# Altium PCB PCB.PcbDoc (part 1 of 2)
Units mil, origin at the board's own origin, x right, y up, seen from the top; angles counter-clockwise.
Board outline 2366.65 x 2660 mil, 2 copper layers (Component Side, Solder Side), stack 63.78 mil thick; 114 components, 105 nets, 465 pads, 240 vias.
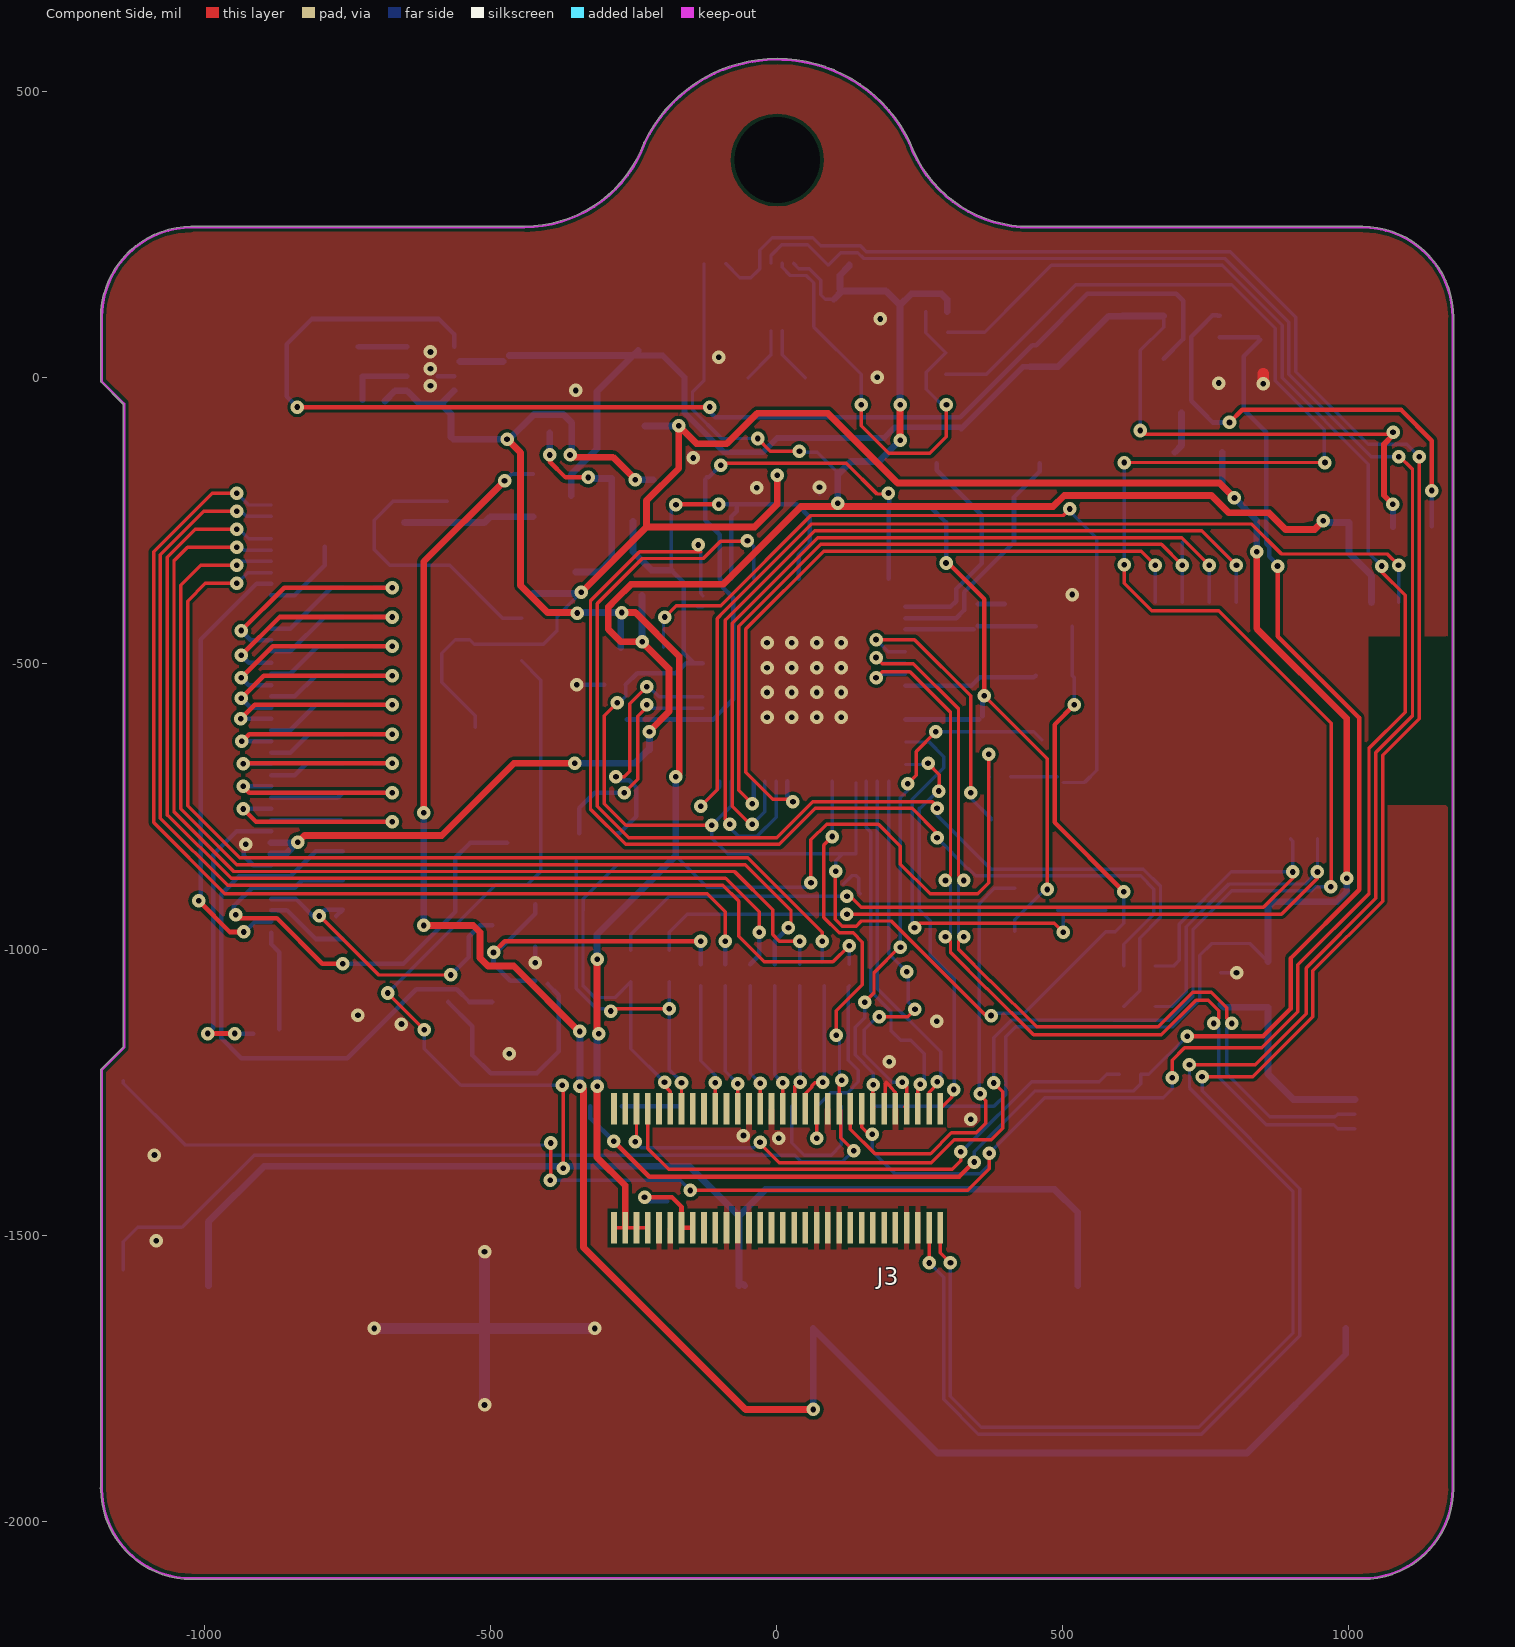
[diagram p0: Component Side view]
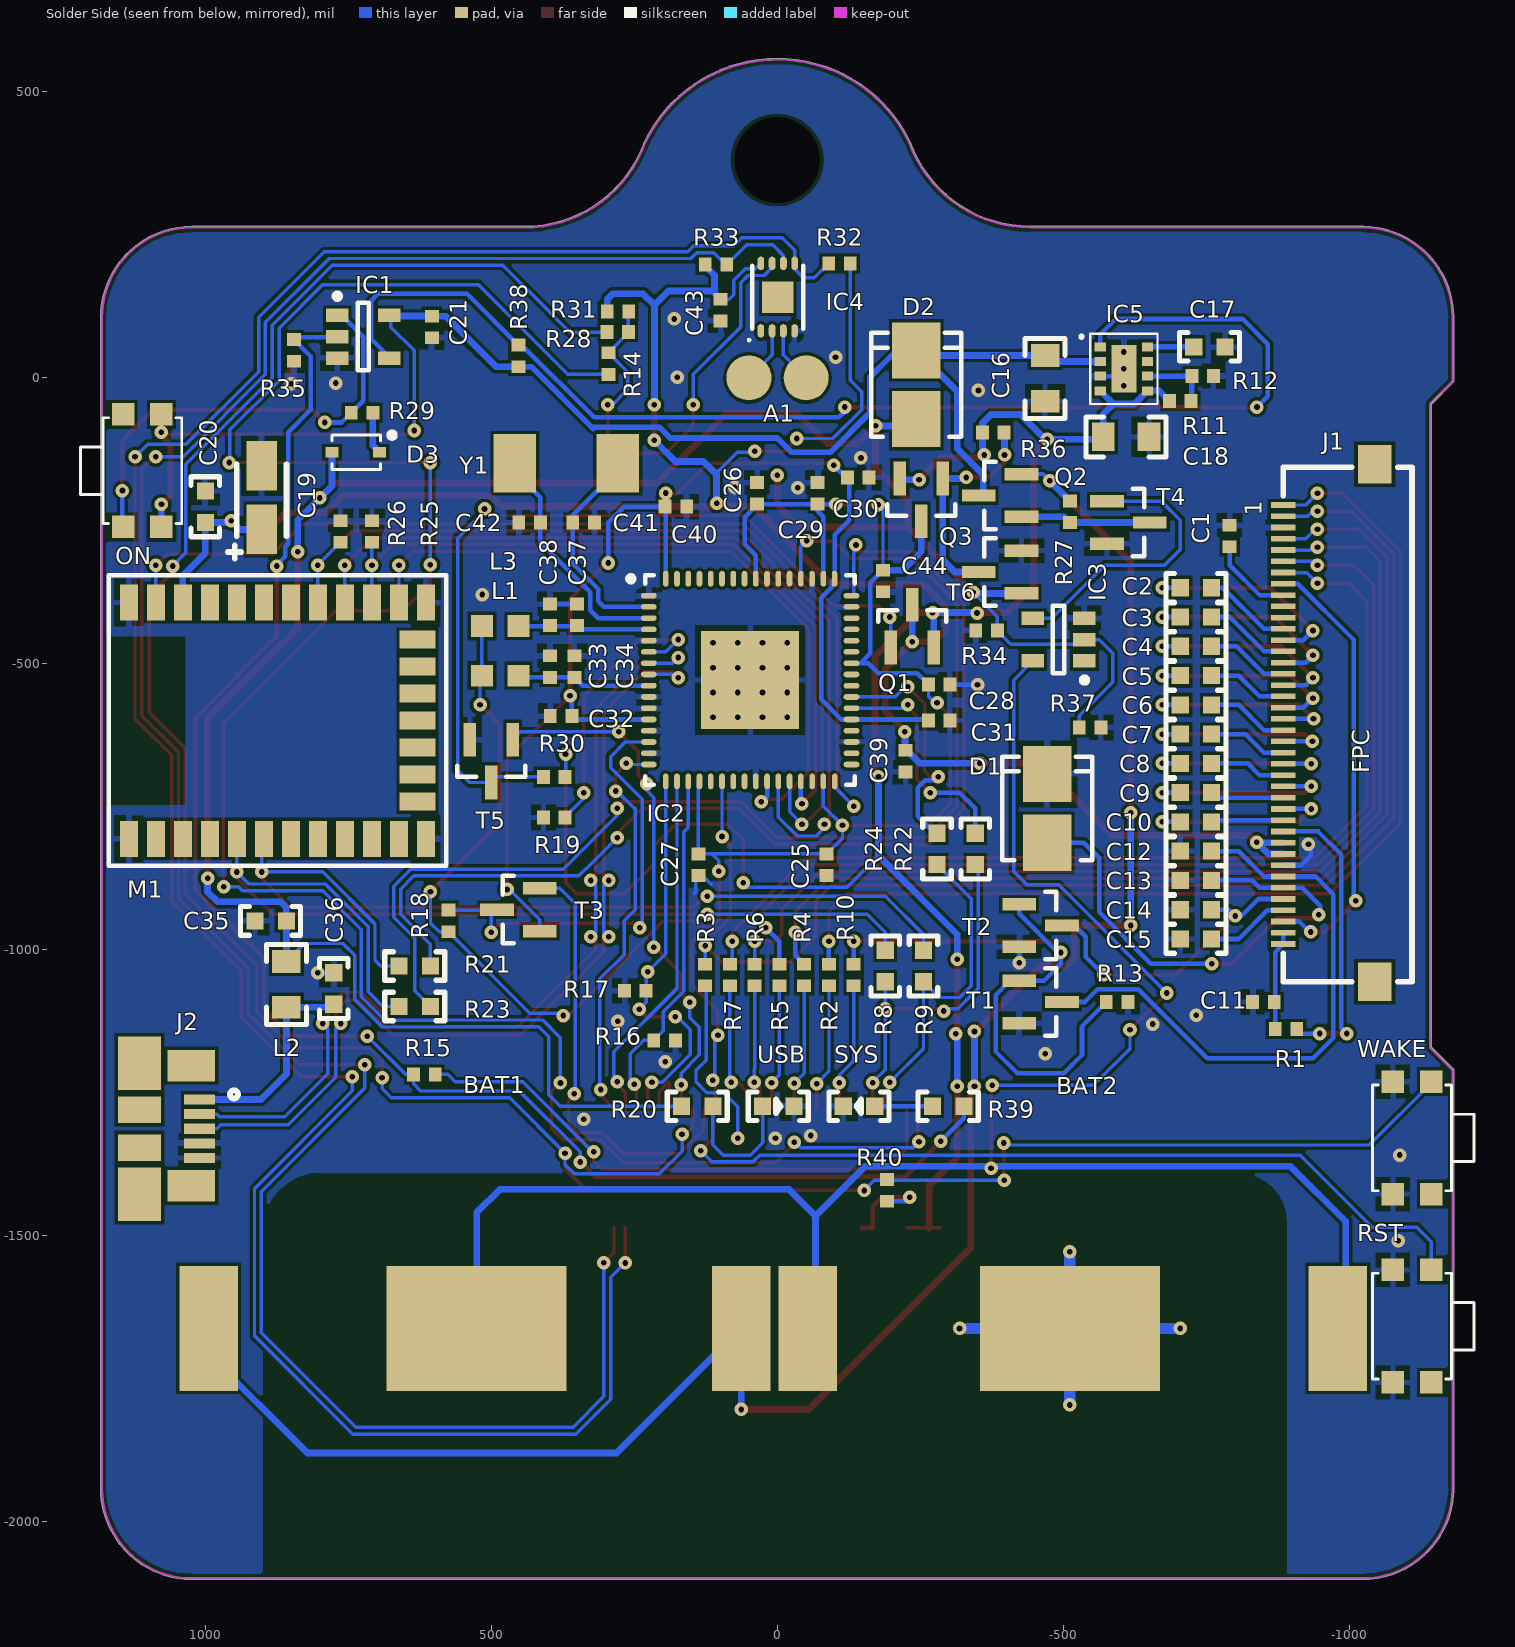
[diagram p1: Solder Side view, seen from below]

## Layer stack, top to bottom
Top Solder: solder mask 0.4, Solder Resist, Dk 3.5
Component Side: signal copper 1.378
Dielectric 1: core 61.0236, FR-4, Dk 4.6
Solder Side: signal copper 1.378
Bottom Solder: solder mask 0.4, Solder Resist, Dk 3.5

## Board outline
-1182.08,-1943.14 cw(c-1180.59,-1941.83) -1182.09,-1940.53 -1182.09,-1210.5 cw(c-1180.1,-1210.5) -1181.49,-1209.08 -1181.5,-1209.09 -1142.72,-1170.3 -1142.72,-45.96 -1181.5,-7.17 -1181.49,-7.19 cw(c-1180.1,-5.77) -1182.09,-5.77 -1182.09,105.41 cw(c-1022.62,105.41) -1023.93,264.87 cw(c-1022.62,263.38) -1022.62,265.36 -440.93,265.36 ccw(c-440.93,487.77) -231.96,411.63 ccw(c-440.93,487.77) -231.93,411.7 -231.96,411.63 cw(c-230.07,411.02) -231.86,411.88 cw(c0.89,300.82) 233.84,411.44 cw(c0.89,300.82) 233.86,411.39 233.84,411.44 cw(c232.07,410.54) 233.94,411.21 ccw(c442.93,487.28) 442.93,264.87 1024.62,264.87 cw(c1024.62,105.41) 1184.09,105.41 1184.09,-1941.83 cw(c1024.62,-1941.83) 1024.64,-2101.3 cw(c1024.62,-2099.31) 1024.62,-2101.3 -1022.62,-2101.3 cw(c-1022.62,-2099.31) -1022.64,-2101.3 cw(c-1022.62,-1941.83)

## Design rules (kind name [scope] priority, off if disabled: settings)
Clearance [All] p1: gap=5.91
DiffPairsRouting [All] p1: maxlimit=7.99 minlimit=7.99 mostfreqgap=7.99 toplayer_minwidth=5.91 toplayer_maxwidth=11.81 toplayer_prefwidth=7.87 bottomlayer_minwidth=5.91 bottomlayer_maxwidth=11.81 bottomlayer_prefwidth=7.87 maxuncoupledlength=500
HoleSize [All] p1: absolutevalues=TRUE maxlimit=150 minlimit=9.84 maxpercent=80.000 minpercent=20.000
MinimumAnnularRing [All] p1: minimumring=4.92
MinimumSolderMaskSliver [All] p1: minsoldermaskwidth=0
PlaneClearance [All] p1: clearance=15
PlaneConnect [All] p1: planeconnectstyle=Direct reliefexpansion=20 reliefentries=4 reliefconductorwidth=10 reliefairgap=10
PolygonConnect PolygonConnect_via [isVia] p1: connectstyle=Direct reliefconductorwidth=10 reliefentries=4 polygonreliefangle="90 Angle" airgapwidth=10
PolygonConnect [All] p2: connectstyle=Relief reliefconductorwidth=10 reliefentries=4 polygonreliefangle="90 Angle" airgapwidth=10
RoutingVias [All] p1: holewidth=9.84 width=23.62 viastyle="Through Hole" minholewidth=9.84 minwidth=23.62 maxholewidth=9.84 maxwidth=23.62
SilkToSilkClearance [All] p1: silktosilkclearance=8
SilkToSolderMaskClearance [IsPad] p1: minsilkscreentomaskgap=3 clearancetoexposedcopper=TRUE
SolderMaskExpansion SolderMaskExpansion_Via [isVia] p1: expansion=-11.81
SolderMaskExpansion [All] p2: expansion=4
Width [All] p1: maxlimit=78.74 minlimit=5.91 preferedwidth=8
22 further rules are at their usual default settings.

## Classes and differential pairs
component class SOM: A1 BAT1 BAT2 C1 C2 C3 C4 C5 C6 C7 C8 C9 C10 C11 C12 C13 C14 C15 C16 C17 C18 C19 C20 C21 C39 C43 D1 D2 D3 IC1 IC3 IC4 IC5 J1 J3 M1 ON Q1 Q2 R1 R2 R3 R4 R5 R6 R7 R8 R9 R10 R11 R12 R13 R14 R15 R27 R28 R29 R30 R31 R32 R33 R34 R35 R38 R39 R40 RST SYS T1 T2 T4 T5 WAKE
component class Debug: C25 C26 C27 C28 C29 C30 C31 C32 C33 C34 C35 C36 C37 C38 C40 C41 C42 C44 IC2 J2 L1 L2 L3 Q3 R16 R17 R18 R19 R20 R21 R22 R23 R24 R25 R26 R36 R37 T3 T6 USB Y1
differential pair USB_D: +USB_D_P -USB_D_N

## Components (designator, comment, footprint, x,y, rotation, side; value= is the part's Value field where it differs from the comment)
A1 "811-22-002-30-001101" 812-22-002-30-003101 50.39,0 r180 bottom
BAT1 "BC-2003" BC-2003#1 526.59,-1662.31 r180 bottom
BAT2 "BC-2003" BC-2003#2 -510.81,-1662.31 r180 bottom
C1 "2u2" 0402#1 -790.34,-276.48 r270 bottom
C2 "2u2" 0603#1 -731.28,-367.03 r180 bottom
C3 "2u2" 0603#1 -731.28,-418.21 r180 bottom
C4 "2u2" 0603#1 -731.28,-469.39 r180 bottom
C5 "2u2" 0603#1 -731.28,-520.57 r180 bottom
C6 "2u2" 0603#1 -731.28,-571.76 r180 bottom
C7 "2u2" 0603#1 -731.28,-622.94 r180 bottom
C8 "2u2" 0603#1 -731.28,-674.12 r180 bottom
C9 "2u2" 0603#1 -731.28,-725.3 r180 bottom
C10 "2u2" 0603#1 -731.28,-776.48 r180 bottom
C11 "2u2" 0402#1 -849.39,-1091.44 r180 bottom
C12 "2u2" 0603#1 -731.28,-827.66 r180 bottom
C13 "2u2" 0603#1 -731.28,-878.84 r180 bottom
C14 "2u2" 0603#1 -731.28,-930.02 r180 bottom
C15 "2u2" 0603#1 -731.28,-981.2 r180 bottom
C16 "10u" 0805#1 -467.5,-0.89 r90 bottom
C17 "3n3" 0603#1 -754.91,54.23 r0 bottom
C18 "22u" 0805#1 -609.24,-103.25 r0 bottom
C19 "100u" KEMET_A 902.57,-209.55 r90 bottom
C20 "100n" 0603#1 1001,-225.3 r270 bottom
C21 "100n" 0402#2 605,89 r270 bottom
C25 "100n" 0402#1 -85.61,-851.28 r90 bottom
C26 "100n" 0402#1 36.43,-201.68 r270 bottom
C27 "100n" 0402#1 138.8,-851.28 r90 bottom
C28 "100n" 0402#1 -282.46,-536.32 r0 bottom
C29 "100n" 0402#1 -69.87,-201.68 r270 bottom
C30 "100n" 0402#1 -140.73,-174.12 r0 bottom
C31 "100n" 0402#1 -282.46,-599.32 r0 bottom
C32 "100n" 0402#1 378.95,-591.44 r180 bottom
C33 "4u7" 0402#1 398.64,-504.83 r270 bottom
C34 "100n" 0402#1 355.33,-504.83 r270 bottom
C35 "100n" 0603#1 886.83,-949.71 r180 bottom
C36 "10n" 0603#1 776.59,-1067.82 r90 bottom
C37 "4u7" 0402#1 351.39,-414.28 r270 bottom
C38 "100n" 0402#1 398.64,-414.28 r270 bottom
C39 "10u" 0402#1 -223.41,-670.18 r90 bottom
C40 "100n" 0402#1 178.17,-225.3 r0 bottom
C41 "18p" 0402#1 339.58,-252.86 r0 bottom
C42 "18p" 0402#1 434.07,-252.86 r180 bottom
C43 "100n" 0402#1 100,118.64 r270 bottom
C44 "10u" 0402#1 -184.04,-355.22 r90 bottom
D1 "MBRS140T3G" SMB -471.44,-752.86 r90 bottom
D2 "MBRS140T3G" SMB -242,-12 r90 bottom
D3 "1N4148WS" SOD-323 738,-130 r270 bottom
IC1 "SN74LVC1G32DBVR" SOT23-5 725,72 r180 bottom
IC2 "FT4232HQ" FT2232HQ 48.24,-528.45 r180 bottom
IC3 "SN74LVC1G14DBVR" SOT23-5 -491.13,-457.58 r0 bottom
IC4 "M24LR64E-RMC6T/2" UFDFPN-8 0,141.22 r180 bottom
IC5 "TPS82130" MicroSIP -605.3,15.84 r180 bottom
J1 "XF2M-4015-1A" XF2M-4015-1A -964,-603.69 r90 bottom
J2 "Molex 47346-0001" CON-Molex-047346-0001 1061,-1313 r180 bottom
J3 "AXK5F60347YG" AXK5F60347YG 1,-1382.12 r0 top
L1 "BLM18AG601SN1D" 0603#2 485.25,-520.57 r180 bottom
L2 "742792022" 0805#2 859.27,-1020.57 r270 bottom
L3 "BLM18AG601SN1D" 0603#2 485.25,-433.96 r180 bottom
M1 "ARTIK-030-AV1R" ARTIK-030 875.02,-599.32 r90 bottom
ON "434333045822" 434333045822 1111.24,-162.31 r270 bottom
Q1 "PMV32UP" SOT-23 -235.22,-433.96 r90 bottom
Q2 "PMV32UP" SOT-23 -388.76,-205.61 r0 bottom
Q3 "PMV32UP" SOT-23 -250.97,-213.49 r270 bottom
R1 "2k2" 0402#1 -888.76,-1138.69 r180 bottom
R2 "22R" 0402#1 -89.55,-1044.2 r90 bottom
R3 "22R" 0402#1 126.98,-1044.2 r90 bottom
R4 "22R" 0402#1 -46.24,-1044.2 r90 bottom
R5 "22R" 0402#1 -2.94,-1044.2 r90 bottom
R6 "22R" 0402#1 40.37,-1044.2 r90 bottom
R7 "22R" 0402#1 83.68,-1044.2 r90 bottom
R8 "22R" 0603#1 -187.98,-1028.45 r270 bottom
R9 "22R" 0603#1 -254.91,-1028.45 r270 bottom
R10 "22R" 0402#1 -132.86,-1044.2 r90 bottom
R11 "255k" 0402#1 -703.72,-40.26 r0 bottom
R12 "80k6" 0402#1 -743.09,3.05 r180 bottom
R13 "2k2" 0402#1 -593.49,-1091.44 r180 bottom
R14 "22R" 0402#1 296,25 r90 bottom
R15 "22R" 0402#1 618,-1218 r0 bottom
R16 "1k" 0402#1 197.85,-1158.37 r0 bottom
R17 "1k" 0402#1 249.03,-1071.76 r180 bottom
R18 "10k" 0402#1 575.8,-949.71 r90 bottom
R19 "12k" 0402#1 390.76,-768.61 r180 bottom
R20 "470R" 0603#1 140.82,-1273.81 r0 bottom
R21 "0R" 0603#1 634.86,-1028.45 r0 bottom
R22 "0R" 0603#1 -345.46,-823.72 r270 bottom
R23 "0R" 0603#1 634.86,-1099.32 r0 bottom
R24 "0R" 0603#1 -278.53,-823.72 r270 bottom
R25 "1k" 0402#1 709.66,-268.61 r270 bottom
R26 "1k" 0402#1 764.78,-268.61 r270 bottom
R27 "100k" 0402#1 -510.81,-233.96 r90 bottom
R28 "0R" 0402#1 280,80 r180 bottom
R29 "0R" 0402#1 727,-61 r180 bottom
R30 "100k" 0402#1 390.76,-697.74 r0 bottom
R31 "4k7" 0402#1 279.4,116.1 r0 bottom
R32 "4k7" 0402#1 -108,200 r180 bottom
R33 "4k7" 0402#1 108,198 r0 bottom
R34 "10k" 0402#1 -365.14,-441.83 r180 bottom
R35 "10k" 0402#1 846,48 r90 bottom
R36 "100k" 0402#1 -376.95,-95.38 r0 bottom
R37 "10k" 0402#1 -546.24,-611.13 r180 bottom
R38 "0R" 0402#1 453.76,38.48 r270 bottom
R39 "470R" 0603#1 -298,-1273.81 r180 bottom
R40 "100k" 0402#1 -191,-1421 r270 bottom
RST "434333045822" 434333045822 -1109.24,-1658.37 r90 bottom
SYS "KPT-1608SGC" LED0603 -142,-1273.81 r0 bottom
T1 "BSS138AKA" SOT-23 -459.63,-1091.44 r180 bottom
T2 "BSS138AKA" SOT-23 -459.63,-957.58 r180 bottom
T3 "BSS138AKA" SOT-23 453.76,-930.02 r0 bottom
T4 "BSS138AKA" SOT-23 -613.17,-252.86 r180 bottom
T5 "BSS138AKA" SOT-23 501,-670.18 r270 bottom
T6 "BSS138AKA" SOT-23 -388.76,-339.47 r0 bottom
USB "KPT-1608SGC" LED0603 -0.91,-1273.81 r180 bottom
WAKE "434333045822" 434333045822 -1109.24,-1329 r90 bottom
Y1 "ABRACON - ABM7-12.000MHZ-D2Y-T - CRYSTAL, 12MHZ, 18PF, SMD" abm7 449.82,-154.43 r180 bottom

## Footprints (in the part's own frame and the unit in brackets; to place one, negate y for a bottom-side part, rotate by r counter-clockwise, add the part's x,y. Pads: shape width x height; smd on the part's side, far side on the other; paste and mask are expansions set on the pad)
0402#1 [mm]
  rect 0.57x0.62 smd: 1(-0.48,0) 2(0.48,0)
  body extent -0.55,-0.3 0.55,0.3, height 0.5
0402#2 [mm]
  rect 0.57x0.62 smd: 1(0.48,0) 2(-0.48,0)
  body extent -0.55,-0.3 0.55,0.3, height 0.5
0603#1 [mil]
  rect 30x30 smd: 1(-27.5,0) 2(27.5,0)
  silkscreen extent -53,-25 52,25, body extent -30,-15 30,15, height 31
0603#2 [mil] "Chip Inductor Ferrite Bead 0603"
  rect 38.19x37.8 smd: 1(-32.09,0) 2(32.09,0)
  body extent -34,-19 34,19, height 24
0805#1 [mil]
  rect 40x50 smd: 1(-40,0) 2(40,0)
  silkscreen extent -70,-35 70,35, body extent -59,-27 59,28, height 37
0805#2 [mil]
  rect 40x50 smd: 1(0,0) 2(80,0)
  silkscreen extent -30,-35 110,35, body extent 0,-23 79,25, height 37
812-22-002-30-003101 [mm]
  round 2 smd: 1(0,0) 2(2.54,0)
434333045822 [mm] "4.7*3.5mm side push type,J-Bend SMD, height 1.65mm, black actuator, 220gf, T&R"
  rect 1x1 smd: 1(2.5,0.85) 2(2.5,-0.85) 3(-2.5,0.85) 4(-2.5,-0.85)
  silkscreen extent -2.35,-2.75 2.35,1.75, body extent -2.75,-2.75 2.75,1.75, height 1.65
abm7 [mil] "Abracon ABM7 quartz resonator series"
  rect 74.8x102.36 smd: 1(-10,5) 2(170,5)
  body extent -40,-64 200,74, height 57
ARTIK-030 [mm]
  rect 1.6x0.8 smd: 1(-5.25,6.6) 2(-5.25,5.4) 3(-5.25,4.2) 4(-5.25,3) 5(-5.25,1.8) 6(-5.25,0.6) 7(-5.25,-0.6) 8(-5.25,-1.8) 9(-5.25,-3) 10(-5.25,-4.2) 11(-5.25,-5.4) 12(-5.25,-6.6) 20(5.25,-6.6) 21(5.25,-5.4) 22(5.25,-4.2) 23(5.25,-3) 24(5.25,-1.8) 25(5.25,-0.6) 26(5.25,0.6) 27(5.25,1.8) 28(5.25,3) 29(5.25,4.2) 30(5.25,5.4) 31(5.25,6.6)
  rect 0.8x1.6 smd: 13(-3.6,-6.219) 14(-2.4,-6.219) 15(-1.2,-6.219) 16(0,-6.219) 17(1.2,-6.219) 18(2.4,-6.219) 19(3.6,-6.219)
  Component Side pour cut-out: -3.75,7.493 3.743,7.493 3.743,4.064 -3.75,4.064
  Solder Side pour cut-out: -3.75,7.493 -3.75,4.064 3.743,4.064 3.743,7.493
  silkscreen extent -6.45,-7.5 6.45,7.5, body extent -6.52,-7.5 6.38,7.5, height 2
AXK5F60347YG [mm]
  rect 0.25x1.4 smd: 1(-7.25,-2.651) 2(-7.25,2.651) 3(-6.75,-2.651) 4(-6.75,2.651) 5(-6.25,-2.651) 6(-6.25,2.651) 7(-5.75,-2.651) 8(-5.75,2.651) 9(-5.25,-2.651) 10(-5.25,2.651) 11(-4.75,-2.651) 12(-4.75,2.651) 13(-4.25,-2.651) 14(-4.25,2.651) 15(-3.75,-2.651) 16(-3.75,2.651) 17(-3.25,-2.651) 18(-3.25,2.651) 19(-2.75,-2.651) 20(-2.75,2.651) 21(-2.25,-2.651) 22(-2.25,2.651) 23(-1.75,-2.651) 24(-1.75,2.651) 25(-1.25,-2.651) 26(-1.25,2.651) 27(-0.75,-2.651) 28(-0.75,2.651) 29(-0.25,-2.651) 30(-0.25,2.651) 31(0.25,-2.651) 32(0.25,2.651) 33(0.75,-2.651) 34(0.75,2.651) 35(1.25,-2.651) 36(1.25,2.651) 37(1.75,-2.651) 38(1.75,2.651) 39(2.25,-2.651) 40(2.25,2.651) 41(2.75,-2.651) 42(2.75,2.651) 43(3.25,-2.651) 44(3.25,2.651) 45(3.75,-2.651) 46(3.75,2.651) 47(4.25,-2.651) 48(4.25,2.651) 49(4.75,-2.651) 50(4.75,2.651) 51(5.25,-2.651) 52(5.25,2.651) 53(5.75,-2.651) 54(5.75,2.651) 55(6.25,-2.651) 56(6.25,2.651) 57(6.75,-2.651) 58(6.75,2.651) 59(7.25,-2.651) 60(7.25,2.651)
  body extent -9,-2.87 9,2.93, height 1.35
BC-2003#1 [mm]
  rect 2.6x5.56 smd: +(-11.905,0) +(11.75,0)
  rect 8x5.56 smd paste-5: -(0,0)
  body extent -12.7,-4.76 12.7,4.76, height 3.56
BC-2003#2 [mm]
  rect 2.6x5.56 smd: +(-11.65,0) +(11.905,0)
  rect 8x5.56 smd paste-5: -(0,0)
  body extent -12.7,-4.76 12.7,4.76, height 3.56
CON-Molex-047346-0001 [mm]
  rect 1.38x0.45 smd: 1(1.263,1.3) 2(1.263,0.65) 3(1.263,0) 4(1.263,-0.65) 5(1.263,-1.3)
  rect 1.9x2.37 smd: M(-1.397,-2.91) M(-1.397,2.91)
  rect 1.9x1.175 smd: M(-1.397,-0.837) M(-1.397,0.837)
  rect 2.1x1.4 smd: M(0.903,-2.54) M(0.903,2.794)
  silkscreen extent 2.61,1.34 2.97,1.7, body extent -3.8,-3.99 1.63,3.99, height 2.71
FT2232HQ [mm] "QFN, 64-Leads, Body 9,00x9,00mm, Pitch 0,50mm, Thermal Pad 4,35x4,35mm, IPC Medium Density"
  oval 0.7x0.25 smd: 2(-4.5,3.25) 3(-4.5,2.75) 4(-4.5,2.25) 6(-4.5,1.25) 7(-4.5,0.75) 8(-4.5,0.25) 9(-4.5,-0.25) 10(-4.5,-0.75) 13(-4.5,-2.25) 14(-4.5,-2.75) 16(-4.5,-3.75) 33(4.5,-3.75) 34(4.5,-3.25) 36(4.5,-2.25) 38(4.5,-1.25) 39(4.5,-0.75) 40(4.5,-0.25) 41(4.5,0.25) 43(4.5,1.25) 44(4.5,1.75) 45(4.5,2.25) 46(4.5,2.75) 48(4.5,3.75) GND(-4.5,-3.25) GND(-4.5,-1.25) GND(-4.5,1.75) GND(-4.5,3.75) GND(4.5,-2.75) GND(4.5,3.25) VCCIO(4.5,0.75) VCORE(-4.5,-1.75) VCORE(4.5,-1.75)
  oval 0.25x0.7 smd: 17(-3.75,-4.5) 18(-3.25,-4.5) 19(-2.75,-4.5) 21(-1.75,-4.5) 22(-1.25,-4.5) 23(-0.75,-4.5) 24(-0.25,-4.5) 26(0.75,-4.5) 27(1.25,-4.5) 28(1.75,-4.5) 29(2.25,-4.5) 30(2.75,-4.5) 32(3.75,-4.5) 49(3.75,4.5) 50(3.25,4.5) 52(2.25,4.5) 53(1.75,4.5) 54(1.25,4.5) 55(0.75,4.5) 57(-0.25,4.5) 58(-0.75,4.5) 59(-1.25,4.5) 60(-1.75,4.5) 61(-2.25,4.5) 62(-2.75,4.5) 63(-3.25,4.5) GND(0.25,-4.5) GND(2.75,4.5) VCCIO(-2.25,-4.5) VCCIO(0.25,4.5) VCCIO(3.25,-4.5) VCORE(-3.75,4.5)
  rect 4.35x4.35 smd: GND(0,0)
  silkscreen extent -5.43,-4.65 4.65,4.65, body extent -4.49,-4.53 4.55,4.51, height 0.9
KEMET_A [mm] "Kemet A size package. Low desity level"
  rect 2.2x1.35 smd: 1(-1.41,0) 2(1.41,0)
  silkscreen extent -2.71,-1.1 1.49,1.5, body extent -1.81,-0.9 1.59,0.9, height 1.81
LED0603 [mil]
  rect 30x30 smd: A(-27.5,0) K(27.5,0)
  silkscreen extent -52,-25 52,25, body extent -33,-16 31,16, height 43
MicroSIP [mm]
  rect 0.5x0.4 smd: 1(-1.05,0.975) 2(-1.05,0.325) 3(-1.05,-0.325) 4(-1.05,-0.975) 5(1.05,-0.975) 6(1.05,-0.325) 7(1.05,0.325) 8(1.05,0.975)
  rect 1.1x2.1 smd: 9(0,0)
  silkscreen extent -1.95,-1.56 1.5,1.56, body extent -1.4,-1.5 1.4,1.5, height 1.54
SMB [mm] "Molded Diode, 2-Leads, Body 4.33x3.63mm, IPC Medium Density"
  rect 2.5x2.15 smd: A(-1.525,0) C(1.525,0)
  silkscreen extent -2.3,-2 2.3,2, body extent -2.3,-1.97 2.3,1.97, height 2.3
SOD-323 [mm]
  rect 0.45x0.59 smd: A(0,-1.055) C(0,1.055)
  silkscreen extent -0.89,-1.05 0.76,1.74, body extent -0.63,-1.25 0.62,1.25, height 1
SOT23-5 [mm]
  rect 1x0.6 smd: 1(-1.15,0.95) 2(-1.15,0) 3(-1.15,-0.95) 4(1.15,-0.95) 5(1.15,0.95)
  silkscreen extent -1.28,-1.5 0.25,1.92, body extent -0.85,-1.5 0.85,1.5, height 1.45
SOT-23 [mm] "SOT23, 3-Leads, Body 2.90x2.45mm, Pitch 0.95mm, IPC Medium Density"
  rect 1.5x0.55 smd: 1(-0.95,0.95) 2(-0.95,-0.95) 3(0.95,0)
  silkscreen extent 0.2,-1.5 0.7,1.5, body extent -1.13,-1.5 1.13,1.5, height 1.21
UFDFPN-8 [mm] "QFN, 8-Leads, Body 2,00x3,00mm, Pitch 0,50mm, Thermal Pad 1,40x1,40mm, IPC Medium Density"
  oval 0.3x0.6 smd: 1(-0.75,-1.5) 2(-0.25,-1.5) 3(0.25,-1.5) 4(0.75,-1.5) 5(0.75,1.5) 6(0.25,1.5) 7(-0.25,1.5) 8(-0.75,1.5)
  rect 1.4x1.4 smd: 9(0,0)
  silkscreen extent -1.32,-1.95 1.14,1.4, body extent -1,-1.5 1,1.5, height 0.55
XF2M-4015-1A [mm] "Omron Electronics FPC connector 40 pin"
  rect 0.25x1.1 smd: 1(9.687,2.032) 2(9.187,2.032) 3(8.687,2.032) 4(8.187,2.032) 5(7.687,2.032) 6(7.187,2.032) 7(6.687,2.032) 8(6.187,2.032) 9(5.687,2.032) 10(5.187,2.032) 11(4.687,2.032) 12(4.187,2.032) 13(3.687,2.032) 14(3.187,2.032) 15(2.687,2.032) 16(2.187,2.032) 17(1.687,2.032) 18(1.187,2.032) 19(0.687,2.032) 20(0.187,2.032) 21(-0.313,2.032) 22(-0.813,2.032) 23(-1.313,2.032) 24(-1.813,2.032) 25(-2.313,2.032) 26(-2.813,2.032) 27(-3.313,2.032) 28(-3.813,2.032) 29(-4.313,2.032) 30(-4.813,2.032) 31(-5.313,2.032) 32(-5.813,2.032) 33(-6.313,2.032) 34(-6.813,2.032) 35(-7.313,2.032) 36(-7.813,2.032) 37(-8.313,2.032) 38(-8.813,2.032) 39(-9.313,2.032) 40(-9.813,2.032)
  rect 1.7x1.5 smd: g1(-11.493,-2.032) g2(11.493,-2.032)
  silkscreen extent -11.49,-3.68 11.37,2.03, body extent -12.1,-2.98 12,2.92, height 2.01

## Part data
A1: library part 1X02, "Headers & Wire Housings 2P SINGLE ROW HDR .177\" PIN HEIGHT"
BAT1 BAT2: library part battery, "SMT holder for  CR2032 battery"
C1: library part C_2u2_0402, "MLCC SMT Capacitor 2u2 0402"
C2 C3 C4 C5 C6 C7 C8 C9 C10 C12 C13 C14 C15: library part C_2u2_0603, "MLCC SMT Capacitor 2u2 0603"
C11: library part C_1u_0402, "MLCC SMT Capacitor 1u 0402"
C16: library part C_10u_0805, "MLCC SMT Capacitor 10u 0805"
C17: library part C_3n3_0603, "MLCC SMT Capacitor 3n3 0603"
C18: library part C_22u_0805, "MLCC SMT Capacitor 22u 0805"
C19: library part CPol_100u, "Tantalum SMT Capacitor 100uF Case KEMET_A"
C20 C35: library part C_100n_0603, "MLCC SMT Capacitor 100nF 0603"
C21 C25 C26 C27 C28 C29 C30 C31 C32 C34 C38 C40 C43: library part C_100n_0402, "MLCC SMT Capacitor 100nF 0402"
C33 C37: library part C_4u7_0402, "MLCC SMT Capacitor 4u7 0402"
C36: library part C_10n_0603, "MLCC SMT Capacitor 10n 0603"
C39 C44: library part C_10u_0402, "MLCC SMT Capacitor 10uF 0402"
C41 C42: library part C_18p_0402, "MLCC SMT Capacitor 18pF 0402"
D1 D2: library part "Diode Schottky", "DIODE, SCHOTTKY, 1A, 40V, DO-214AA"
D3: library part diode, "Diode small signal"
IC1: "Single 2-Input OR Gate"
IC2: "FTDI  FT4232HQ-R  Interface Bridges, USB to UART, MPSSE, 1.62 V, 1.98 V, QFN, 64 Pins, -40 °C"
IC3: library part SN74LVC1G14, "Inverter with schmitt trigger."
IC4: library part M24LR04E_R, "RFID Transponder IC 13.56MHz ISO 14443, NFC I²C 2.7 V ~ 5.5 V 8-UFDFN Exposed Pad"
IC5: "Voltage Regulators - Switching Regulators 3-A 17V Step-down Converter Module with Integrated Inductor 8-uSiP -40 to 125"
J1: "RECEPTACLE, FPC, ZIF, SMT, 0.5MM, 40WAY"
J2: library part "Micro USB B", "USB - micro B Receptacle Connector 5 Position Surface Mount, Right Angle, Horizontal"
J3: "CONN SCKT BRD/BRD .5MM 60POS SMD"
L1 L3: library part "Inductor SMT_0603", "Ferrite Bead, 600 ohm, 0603 [1608 Metric], BLM18A Series, 500 mA, 0.38 ohm, ± 25%"
L2: library part "Inductor SMT_0805", "WURTH ELEKTRONIK - 742792022 - FERRITE BEAD, 0.05OHM, 2A, 0805"
M1: library part ARTIK-030
ON RST WAKE: library part WE_434333045822, "3.5x4.7 mm SMD side push, boss design WS-TASU"
Q1 Q2 Q3: library part PMOS, "P CH, 20V, 4A"
R1 R13: library part R_2k2_0402, "RES, 2k2, 0402"
R2 R3 R4 R5 R6 R7 R10 R14 R15: library part R_22R_0402, "RES, 22R, 0402"
R8 R9: library part R_22R_0603, "RES, 22R, 0603"
R11: library part R_255k_0402, "RES, 255k 0402"
R12: library part R_80k6_0402, "RES, 80k6, 0402"
R16 R17 R25 R26: library part R_1k_0402, "RES, 1k, 0402"
R18 R34 R35 R37: library part R_10k_0402, "RES, 10k, 0402"
R19: library part R_12k_0402, "RES, 12k 0402"
R20 R39: library part R_470R_0603, "RES, 470R, 0603"
R21 R22 R23 R24: library part R_0R_0603, "RES, 0R, 0603"
R27 R30 R36 R40: library part R_100k_0402, "RES, 100k 0402"
R28 R29 R38: library part R_0R_0402, "RES, 0R, 0402"
R31 R32 R33: library part R_4k7_0402, "RES, 4k7, 0402"
SYS USB: library part LED, "LED Green 0603 case"
T1 T2 T3 T4 T5 T6: library part NMOS, "MOSFET, N CH, 60V, 0.2A"
Y1: library part CRYSTAL, "CRYSTAL, 12MHZ, 18PF, SMD"

## Free pads (board coordinates)
  round 0 hole 149.61 unplated: 0(1,381)

## Via types
v1: diameter 23.62, hole 9.84, Component Side to Solder Side, 148 vias
v2: diameter 23.62, hole 9.84, Component Side to Solder Side, tented both sides, 92 vias

## Nets (pads, with @x,y where several pads share a name; then routed paths per layer and width w, separated by ;. In a path a pad name is that pad's centre, name@x,y a point inside that pad or via, vN(x,y) a via of type N, cw(c..) or ccw(c..) an arc to the next point about the centre after c; other vN are vias at no path point)
1V8: J3.13 J3.15 R40.2 | length 170.9
  Component Side w8: v1(-231,-1433) -183,-1433 -166.32,-1449.68 J3.13@-166.32,-1486.49 J3.15@-146.64,-1486.49
  Solder Side w8: v1(-231,-1433) -224.1,-1439.9 R40.2@-191,-1439.9
3V3_M: C19.1 C20.2 C39.2 C43.1 IC4.8 J1.31 J1.32 M1.29 Q1.3 R31.2 R32.2 R33.2 | length 4227.8
  Component Side w5.91: v1(-33,-106) -11,-128 v1(40,-128) v1@38,-126
  Component Side w11.81: v1(-837.58,-811.91) -825.77,-800.1 -585.61,-800.1 -459.63,-674.12 v1(-353.33,-674.12) ; v1(-222.39,-619.06) -222.39,-617.98 -187.98,-583.57 -187.98,-508.76 v1(-235.22,-461.52) -272.48,-461.52 -294.28,-439.72 -294.28,-400.55 -280.44,-386.72 -280.44,-386.44 -255,-361 -93.59,-361 42.41,-225 v1@106,-225 ; v1(107,-219) 107,-224 v1@106,-225 ; v1(216,-109) v1(216,-47) ; v2(956,-250) 940.94,-265.06 890.06,-265.06 861,-236 791,-236 760.61,-205.61 503.03,-205.61 483.64,-225 v1@106,-225
  Solder Side w5.91: R32.2@-126.9,200 -126.9,-4.1 -147,-24.2 -147,-55.4 -96.4,-106 v1(-33,-106) ; IC4.8@29.53,200.27 38.95,190.85 56.91,190.85 77,170.76 77,145.3 84.76,137.53 C43.1@100,137.53 ; v1(40,-128) 42,-130 71,-130 107,-166
  Solder Side w11.81: J1.32@-884,-832.56 -858.23,-832.56 v1@-838.55,-812.88 ; J1.31@-884,-812.88 v1@-838.55,-812.88 ; v1(-837.58,-811.91) v1@-838.55,-812.88 ; v1(-353.33,-674.12) -248.58,-674.12 -225.74,-651.28 C39.2@-223.41,-651.28 -222.39,-650.26 v1(-222.39,-619.06) ; Q1.3@-236,-380 -235.22,-380.78 Q1.3@-235.22,-396.56 v1(-235.22,-461.52) ; C43.1@100,137.53 114.36,151.9 ; v1(107,-219) 107,-169 ; 107,-166 107,-169 ; R33.2@126.9,198 126.9,195.67 110.74,179.51 110.74,155.52 114.36,151.9 ; v1(216,-109) 179,-146 130,-146 107,-169 ; v1(216,-47) 215.62,-46.62 215.62,127.22 ; R31.2@298.3,116.1 298.3,137.35 288.65,147 235.4,147 215.62,127.22 ; C19.1@902.57,-265.06 940.94,-265.06 v2(956,-250) 958.8,-252.8 C20.2@1001,-252.8 1001,-306 1040.37,-345.37 M1.29@1040.37,-392.62 ; 114.36,151.9 190.94,151.9 215.62,127.22
5V_USB_D: C35.2 D2.A D3.A IC3.2 L2.1 R20.2 R34.2 R37.1 T6.1 | length 4335.5
  Component Side w11.81: v1(-341.52,-374.91) -227.35,-260.73 ; v2(1,-170.18) 1,-221.36 -38.37,-260.73 -227.35,-260.73 ; v2(800.66,-210) 774.66,-184 211.67,-184 89.67,-62 -34,-62 -87,-115 -140,-115 v1(-171,-84) -171,-158 -227.35,-214.35 -227.35,-260.73 ; v2(839.58,-304.04) 839.58,-437.9 997.06,-595.38 v2(997.06,-874.91)
  Solder Side w5.98: R37.1@-527.35,-611.13 -527.35,-590.65 -585.61,-532.39 -585.61,-481.2 -561.99,-457.58 IC3.2@-536.4,-457.58 -528.53,-465.46 -407.66,-465.46 R34.2@-384.04,-441.83 -384.04,-417.43 v1@-349.39,-382.78 ; R20.2@168.32,-1273.81 380.19,-1273.81 400.71,-1253.29 400.71,-1152.36 418.32,-1134.75 583.39,-1134.75 583.75,-1135.1 691.9,-1135.1 740,-1087 740,-1010 760.92,-989.08 827.77,-989.08 L2.1@859.27,-1020.57
  Solder Side w11.81: T6.1@-426.17,-376.87 -355.3,-376.87 ; D2.A@-230.04,-84 v1(-171,-84) ; D3.A@779.54,-130 779.54,-188.87 v2(800.66,-210) 839.58,-248.92 v2(839.58,-304.04) ; L2.1@859.27,-1020.57 859.27,-949.77 C35.2@859.33,-949.71 859.33,-926.67 870,-916 980,-916 997.06,-898.94 v2(997.06,-874.91)
AON_PMU_DWAKEUP_N: J3.46 R28.1 R40.1 WAKE.2 | length 4724.7
  Component Side w5.98: v1(-396,-1403) -395,-1402 v1(-395,-1338) ; v1(-151,-1421) 334,-1421 372,-1383 v1(372,-1356) ; J3.46@148.64,-1277.75 148.64,-1310.64 161.02,-1323.02 v1(167.38,-1323.02) ; v1(692,-1224) 692,-1193 713.29,-1171.71 848.44,-1171.71 911.55,-1108.6 911.55,-1026.45 1036,-902 1036,-648 1099,-585 1099,-380.47 v1@1058,-339.47
  Solder Side w5.98: WAKE.2@-1142.7,-1229.24 -1142.7,-1233.3 -1034.48,-1341.52 v1@-389.48,-1341.52 ; v1(-396,-1403) -169,-1403 v1(-151,-1421) ; v1(167.38,-1323.02) 167.38,-1352.31 207.07,-1392 356,-1392 372,-1376 v1(372,-1356) 469,-1259 676,-1259 692,-1243 v1(692,-1224) ; R28.1@298.9,80 364,80 399.86,115.86 399.86,116.1 480.66,196.9 779.1,196.9 884,92 884,0 1035,-151 1035,-306 v1(1058,-329)
ARTIK_JTAG_TCK: IC2.26 M1.21 | length 1250
  Component Side w5.98: v2(28.56,-741.05) 32.5,-737.11 -6.88,-737.11 -54.12,-689.87 -54.12,-439.19 82.06,-303.01 637.77,-303.01 v2(662.42,-327.66)
  Solder Side w5.98: M1.21@662.42,-392.62 v2(662.42,-327.66)
  Solder Side w7.87: IC2.26@18.72,-705.61 18.72,-731.2 v2(28.56,-741.05)
ARTIK_JTAG_TDI: IC2.27 M1.24 R26.2 | length 1633.7
  Component Side w5.98: v2(-81.68,-780.42) -89.79,-772.31 -89.79,-423.42 -88.3,-421.93 -87.93,-421.93 66.66,-267.34 743.83,-267.34 v2(804.15,-327.66)
  Solder Side w5.98: v2(-81.68,-780.42) -81.68,-786.48 -67.03,-801.12 -33.73,-801.12 -0.97,-768.36 IC2.27@-0.97,-705.61 ; R26.2@764.78,-287.5 v2@804.15,-326.87 ; M1.24@804.15,-392.62 v2(804.15,-327.66)
ARTIK_JTAG_TDO: IC2.28 M1.23 | length 1433.9
  Component Side w5.98: v2(-42.31,-780.41) -46.24,-780.42 -77.9,-748.76 -77.9,-429.34 72.21,-279.23 708.48,-279.23 v2(756.91,-327.66)
  Solder Side w5.98: v2(-42.31,-780.41) -20.65,-758.76 IC2.28@-20.65,-705.61 ; M1.23@756.91,-392.62 v2(756.91,-327.66)
ARTIK_JTAG_TMS: IC2.29 M1.22 R25.2 | length 1315.9
  Component Side w5.98: v2(-42.31,-744.98) -66.01,-721.28 -66.01,-434.27 77.13,-291.12 673.12,-291.12 v2(709.66,-327.66)
  Solder Side w5.98: M1.22@709.66,-392.62 v2(709.66,-327.66) R25.2@709.66,-287.5
  Solder Side w7.87: v2(-42.31,-744.98) -40.34,-743.02 IC2.29@-40.34,-705.61
ARTIK_RST: IC2.32 M1.30 | length 1752.2
  Component Side w5.98: v2(-132.86,-748.92) -104.01,-720.08 -104.01,-420.83 -93.22,-410.04 -93.04,-410.04 61.54,-255.46 830.37,-255.46 882.91,-308 1067.95,-308 v2(1087.61,-327.66)
  Solder Side w5.98: M1.30@1087.61,-392.62 v2(1087.61,-327.66)
  Solder Side w6: v2(-132.86,-748.92) -99.39,-715.46 IC2.32@-99.39,-705.61
ARTIK_RX: M1.6 R9.1 R21.2 | length 1658.2
  Component Side w5.98: v2(123.05,-906.4) 128.62,-906.4 148.23,-926.01 851.47,-926.01 902.57,-874.91 v2(902.57,-864)
  Solder Side w5.98: R9.1@-254.91,-1000.95 -254.91,-973.33 -187.98,-906.4 v2(123.05,-906.4) ; R21.2@662.36,-1028.45 694.55,-1028.45 704.33,-1018.67 704.33,-955.04 795.37,-864 v2(902.57,-864) 902.57,-809.94 M1.6@898.64,-806.01
ARTIK_TX: M1.5 R8.1 R23.2 | length 1710.2
  Component Side w5.98: v2(123.05,-937.9) 882.89,-937.9 v2@945.88,-874.91
  Solder Side w5.98: R8.1@-187.98,-1000.95 -187.98,-969.39 -156.48,-937.9 v2(123.05,-937.9) ; R23.2@662.36,-1099.32 690.68,-1099.32 716.22,-1073.78 716.22,-959.96 791.08,-885.11 924.77,-885.11 v2(945.88,-864) M1.5@945.88,-806.01
BORDER: J1.8 J1.38 | length 778.6
  Component Side w8: v2(-1010.81,-914.28) -956.09,-969 v2(-932,-969)
  Solder Side w7.87: v2(-1010.81,-914.28) -1006.87,-910.34 -1006.87,-457.58 -909.41,-360.12 J1.8@-884,-360.12
  Solder Side w8: v2(-932,-969) -930,-969 -911.67,-950.67 J1.38@-884,-950.67
BUSY: J1.2 R3.2 | length 2082.6
  Component Side w5.98: v2@-943.88,-229.24 v2(-943.88,-233.17) -1001.87,-233.17 -1077.66,-308.96 -1077.66,-769.74 -960.01,-887.4 -93.87,-887.4 -66.46,-914.81 -66.46,-976.73 -21.83,-1021.36 98.64,-1021.36 v1(126.98,-993.02)
  Solder Side w5.98: v2(-943.88,-233.17) -936.01,-233.17 -927.17,-242.01 J1.2@-884,-242.01 ; R3.2@126.98,-1025.3 v1(126.98,-993.02)
CS: J1.1 R2.2 | length 1886.1
  Component Side w5.98: v2(-943.88,-201.68) -987.19,-201.68 -1089.55,-304.04 -1089.55,-777.54 -964.83,-902.26 -121.25,-902.26 -89.55,-933.96 v2(-89.55,-985.14)
  Solder Side w5.98: v2(-943.88,-201.68) -923.23,-222.33 J1.1@-884,-222.33
  Solder Side w8: R2.2@-89.55,-1025.3 v2(-89.55,-985.14)
DISCHARGE: R10.2 R13.1 T1.1 T2.1 | length 1048.9
  Component Side w8: v2(-495.06,-1004.83) -475.38,-985.14 v2(-132.86,-985.14)
  Solder Side w8: R13.1@-574.59,-1091.44 -532,-1134.03 -532,-1184.19 -499.97,-1216.22 -419.06,-1216.22 ; T1.1@-422.23,-1054.04 -465.54,-1054.04 -495.06,-1024.51 v2(-495.06,-1004.83) -489.91,-1004.83 -422.23,-937.14 T2.1@-422.23,-920.18 ; -418.29,-1215.46 -380.89,-1178.06 -380.89,-1079.63 T1.1@-400.57,-1059.94 ; R10.2@-132.86,-1025.3 v2(-132.86,-985.14)
FT_1V8: C30.2 C31.2 C32.2 C40.2 IC2.49 IC2.VCORE T3.1 | length 2198
  Component Side w5.98: v1(-98,-153) -94.47,-149.47 122.02,-149.47 175.55,-203 v1@197.26,-203 ; v2(363.2,-556.01) 473.44,-666.24 v1(473.44,-894.59)
  Component Side w7.87: v1(195.64,-201.38) v1@197.26,-203 ; v2(296.28,-323.72) 300.21,-323.72 363.2,-386.72 v2@363.2,-552.07
  Component Side w8: v2(363.2,-556.01) v2@363.2,-552.07
  Solder Side w5.98: T3.1@416.35,-967.43 416.35,-947.74 469.51,-894.59 v1(473.44,-894.59)
  Solder Side w7.87: C30.2@-121.83,-174.12 -119.12,-174.12 v1(-98,-153) ; v1(195.64,-201.38) 197.06,-202.8 C40.2@197.06,-225.3 268.72,-225.3 296.28,-252.86 v2(296.28,-323.72)
  Solder Side w8: C31.2@-261.6,-597.35 IC2.VCORE@-128.92,-597.35 -111.2,-597.35 -76,-562.14 -76,-384.82 -94.54,-366.28 -94.54,-356.14 IC2.49@-99.39,-351.28 -99.39,-274.51 -124.98,-248.92 C30.2@-124.98,-177.27 ; IC2.VCORE@195.88,-351.28 C40.2@195.88,-229.24 ; IC2.VCORE@225.41,-597.35 C32.2@354.15,-597.35 ; C32.2@360.06,-591.44 360.06,-559.15 v2(363.2,-556.01)
FTDI2_RX: IC2.39 R24.1 | length 434.9
  Component Side w5.98: v1(-280.92,-697.74) -266.72,-697.74 -257.13,-688.15 -257.13,-570.04 v2(-227.35,-540.26)
  Solder Side w5.98: v1@-282.46,-697.74 v1(-280.92,-697.74) ; v2(-227.35,-540.26) -223.41,-540.26 -205.69,-557.98 IC2.39@-128.92,-557.98
  Solder Side w7.87: v1(-280.92,-697.74) -275.01,-703.64 -257.75,-703.64 -245.06,-716.33 -245.06,-766.64 -274.65,-796.22 R24.1@-278.53,-796.22
FTDI2_TX: IC2.38 R22.1 | length 404.2
  Component Side w5.98: v1(-266.72,-725.3) -243.09,-701.68 -243.09,-591.44 -227.35,-575.69 v2(-227.35,-571.75)
  Solder Side w5.98: v2(-227.35,-571.75) -221.44,-577.66 IC2.38@-128.92,-577.66
  Solder Side w7.87: R22.1@-345.46,-796.22 -345.46,-752.86 -317.9,-725.3 v1(-266.72,-725.3)
FTDI_RX: IC2.52 R23.1 | length 2074.6
  Component Side w5.98: v2@-51,-286 -98.08,-286 -127.93,-315.85 -152.54,-315.85 -234.85,-315.85 -313.52,-394.52 -313.52,-749.37 -258.92,-803.96 0.01,-803.96 62.93,-741.05 272.65,-741.05 280.53,-748.92 v2(280.53,-752.86)
  Solder Side w5.98: v2(-51,-285) -50,-285 -40.34,-294.66 IC2.52@-40.34,-351.28 ; v2(280.53,-752.86) 280.53,-764.67 374.94,-859.08 641.51,-859.08 671.39,-888.96 671.39,-943.05 634.86,-979.58 634.86,-1071.82 R23.1@607.36,-1099.32
FTDI_TX: IC2.48 R21.1 | length 1945.8
  Component Side w5.98: v2@-140.73,-296.16 v2(-136.79,-292.23) ; -132.86,-303.96 -239.78,-303.96 -325.41,-389.59 -325.41,-754.29 -263.85,-815.85 4.94,-815.85 67.85,-752.94 237.3,-752.94 280.53,-796.16 v2(280.53,-804.04)
  Solder Side w5.98: v2(-136.79,-292.23) -132.86,-296.16 -132.86,-376.87 IC2.48@-128.92,-380.81 ; v2(280.53,-804.04) 334.62,-858.13 335.52,-858.13 348.36,-870.97 636.59,-870.97 659.5,-893.88 659.5,-938.12 607.36,-990.27 R21.1@607.36,-1028.45
GND: BAT2.- C1.1 C11.1 C12.1 C13.1 C14.1 C15.1 C16.1 C17.1 C18.1 C19.2 C20.1 C21.1 C25.1 C26.1 C27.1 C28.1 C29.1 C30.1 C31.1 C32.1 C33.1 C34.1 C35.1 C36.2 C37.1 C38.1 C39.1 C40.1 C41.1 C42.1 C43.2 C44.1 D1.C IC1.3 IC2.10 IC2.13 IC2.GND IC3.3 IC4.4 IC5.3 IC5.9 J1.3 J1.33 J2.4 J2.5 J3.9 J3.11 J3.21 J3.23 J3.25 J3.26 J3.30 J3.37 J3.39 J3.40 J3.41 J3.50 J3.52 J3.53 J3.55 M1.1 M1.12 M1.20 M1.31 R12.2 R13.2 R16.1 R17.1 R19.1 R25.1 R26.1 R34.1 R35.1 R37.2 RST.1 RST.3 SYS.K T1.2 T2.2 T4.2 T5.2 T6.2 USB.K WAKE.1 WAKE.3 | length 1131.6
  Component Side w5.91: J3.50@188.01,-1277.75 189.67,-1276.08 189.67,-1234.33 192,-1232 199.33,-1239.33 199.33,-1240.56 207.69,-1248.92 J3.52@207.69,-1277.75
  Component Side w19.68: v1(-58,-1325) v1@-56,-1327 ; v1(851,-10) 851,7.88
  Solder Side w5.91: v1(-1088,-1359) v1@-1087,-1358 ; v1(-732.16,-1114.84) v1@-732.16,-1110.25 ; v1@-153.42,-132.08 v1(-145.5,-140) ; IC2.GND@-137.58,-400.5 IC2.GND@-128.92,-400.5 ; 75,-204 v1(75,-191) ; 116.59,-885.73 132.14,-870.18 C27.1@138.8,-870.18 143.72,-875.1 143.72,-899.72 146,-902 ; C36.2@776.59,-1040.32 v1(804.32,-1040.32)
  Solder Side w8: v2(-928.13,-815.85) -932.07,-819.79 -932.07,-835.54 -915.36,-852.25 J1.33@-884,-852.25 ; IC5.9@-592.5,3.05 IC5.3@-563.96,3.05 ; v2(-422.23,-1022.54) T2.2@-422.23,-994.98 ; v2(-349.39,-536.32) C28.1@-301.36,-536.32 ; C37.1@351.39,-395.38 C38.1@398.64,-395.38
  Solder Side w19.68: v1(-703.72,-1662.31) BAT2.-@-510.81,-1662.31 ; v2(-510.81,-1796.17) BAT2.-@-510.81,-1662.31 ; v1(-510.81,-1528.45) BAT2.-@-510.81,-1662.31 ; v1(-317.9,-1662.31) BAT2.-@-510.81,-1662.31
  other v1: -1085,-1509 4,-1330 339.58,-1296.17 197,-1196 -656,-1130 280,-1125 -16.72,-593.41 26.59,-593.41 69.9,-593.41 113.2,-593.41 -16.72,-550.1 26.59,-550.1 69.9,-550.1 113.2,-550.1 -16.72,-506.8 26.59,-506.8 69.9,-506.8 113.2,-506.8 -16.72,-463.49 26.59,-463.49 69.9,-463.49 113.2,-463.49 516.75,-378.84 -35,-192 -351,-22 773,-9 176,1 -101,36 181,103
  other v2: -467.5,-1181.99 -605.3,-13.69 -605.3,15.84 -605.3,45.37
GPIO0: J3.38 R3.1 | length 374
  Component Side w5.98: v2(69.9,-1329.63) J3.38@69.9,-1277.75
  Solder Side w5.98: v2(69.9,-1329.63) 69.9,-1274.65 94.64,-1249.91 124.09,-1249.91 143,-1231 143,-1211 125.29,-1193.29 125.29,-1064.79 R3.1@126.98,-1063.09
GPIO1: J3.36 R7.1 | length 236.1
  Component Side w5.98: J3.36@50.21,-1277.75 50.21,-1252.07 61.71,-1240.58 61.71,-1238.29 67,-1233 80,-1233 v1(81,-1232)
  Solder Side w5.98: v1(81,-1232) 81,-1222.07 83.68,-1219.39 R7.1@83.68,-1063.09
GPIO3: J3.34 R6.1 | length 221
  Component Side w5.98: J3.34@30.53,-1277.75 31.55,-1276.72 31.55,-1238.45 38,-1232 v1(41,-1232)
  Solder Side w5.98: R6.1@40.37,-1063.09 40.37,-1208 41,-1208.63 v1(41,-1232)
GPIO4: J3.32 R5.1 | length 220.4
  Component Side w5.98: J3.32@10.84,-1277.75 v1(10.84,-1232.84)
  Solder Side w5.98: R5.1@-2.94,-1063.09 -2.94,-1219.06 v1(10.84,-1232.84)
GPIO5: J3.28 R4.1 | length 222
  Component Side w5.98: J3.28@-28.53,-1277.75 v1(-28.53,-1233.47)
  Solder Side w5.98: R4.1@-46.24,-1063.09 -46.24,-1215.76 v1(-28.53,-1233.47)
GPIO9: J3.24 R2.1 | length 223.6
  Component Side w5.98: J3.24@-67.9,-1277.75 v1(-67.9,-1234.1)
  Solder Side w5.98: R2.1@-89.55,-1063.09 -89.55,-1212.45 v1(-67.9,-1234.1)
GPIO10: J3.22
GPIO11: J3.20 R10.1 | length 225.3
  Component Side w5.98: J3.20@-107.27,-1277.75 v1(-107.27,-1232.73)
  Solder Side w5.98: R10.1@-132.86,-1063.09 -132.86,-1193.8 -107.27,-1219.39 v1(-107.27,-1232.73)
GPIO12: J3.18
GPIO13: J3.16
GPIO16: J3.14 R8.2 R22.2 | length 634.8
  Component Side w5.98: v2(-290.34,-1107.19) -286.4,-1103.25 v2(-187.98,-1103.25) ; J3.14@-166.32,-1277.75 v1(-166.32,-1232.68)
  Solder Side w5.98: R22.2@-350.34,-844.3 -350.34,-925.96 -350.5,-926.12 -350.5,-1067.78 -315.03,-1103.25 -294.27,-1103.25 v2(-290.34,-1107.19) ; R8.2@-187.98,-1055.95 v2(-187.98,-1103.25) -187.98,-1209.55 -166.32,-1231.2 v1(-166.32,-1232.68)
GPIO17: J3.12 R9.2 R24.2 | length 590.3
  Component Side w5.98: v1(-196,-1232) -196,-1238 -186.01,-1247.99 J3.12@-186.01,-1277.75
  Solder Side w5.98: -338.61,-931.05 -338.61,-1062.86 -317.9,-1083.57 -282.52,-1083.57 R9.2@-254.91,-1055.95 -254.91,-1173.09 v1(-196,-1232) ; -338.45,-930.89 -338.45,-911.15 R24.2@-278.53,-851.22
GPIO18: J3.10
GPIO19: J3.8 R15.1 | length 974.5
  Component Side w5.98: J3.8@-225.38,-1277.75 -225.38,-1347.62 -188.83,-1384.17 307.09,-1384.17 322,-1369.26 v1(322,-1353)
  Solder Side w5.98: 332,-1345 446.1,-1230.9 564.1,-1230.9 577,-1218 R15.1@599.1,-1218